# Altium PCB 键盘.PcbDoc (part 3 of 4)
Units mm, origin at the board's own origin, x right, y up, seen from the top; angles counter-clockwise.
Board outline 443.48 x 149.35 mm, 2 copper layers (Top Layer, Bottom Layer); 278 components, 283 nets, 1577 pads, 1412 vias.
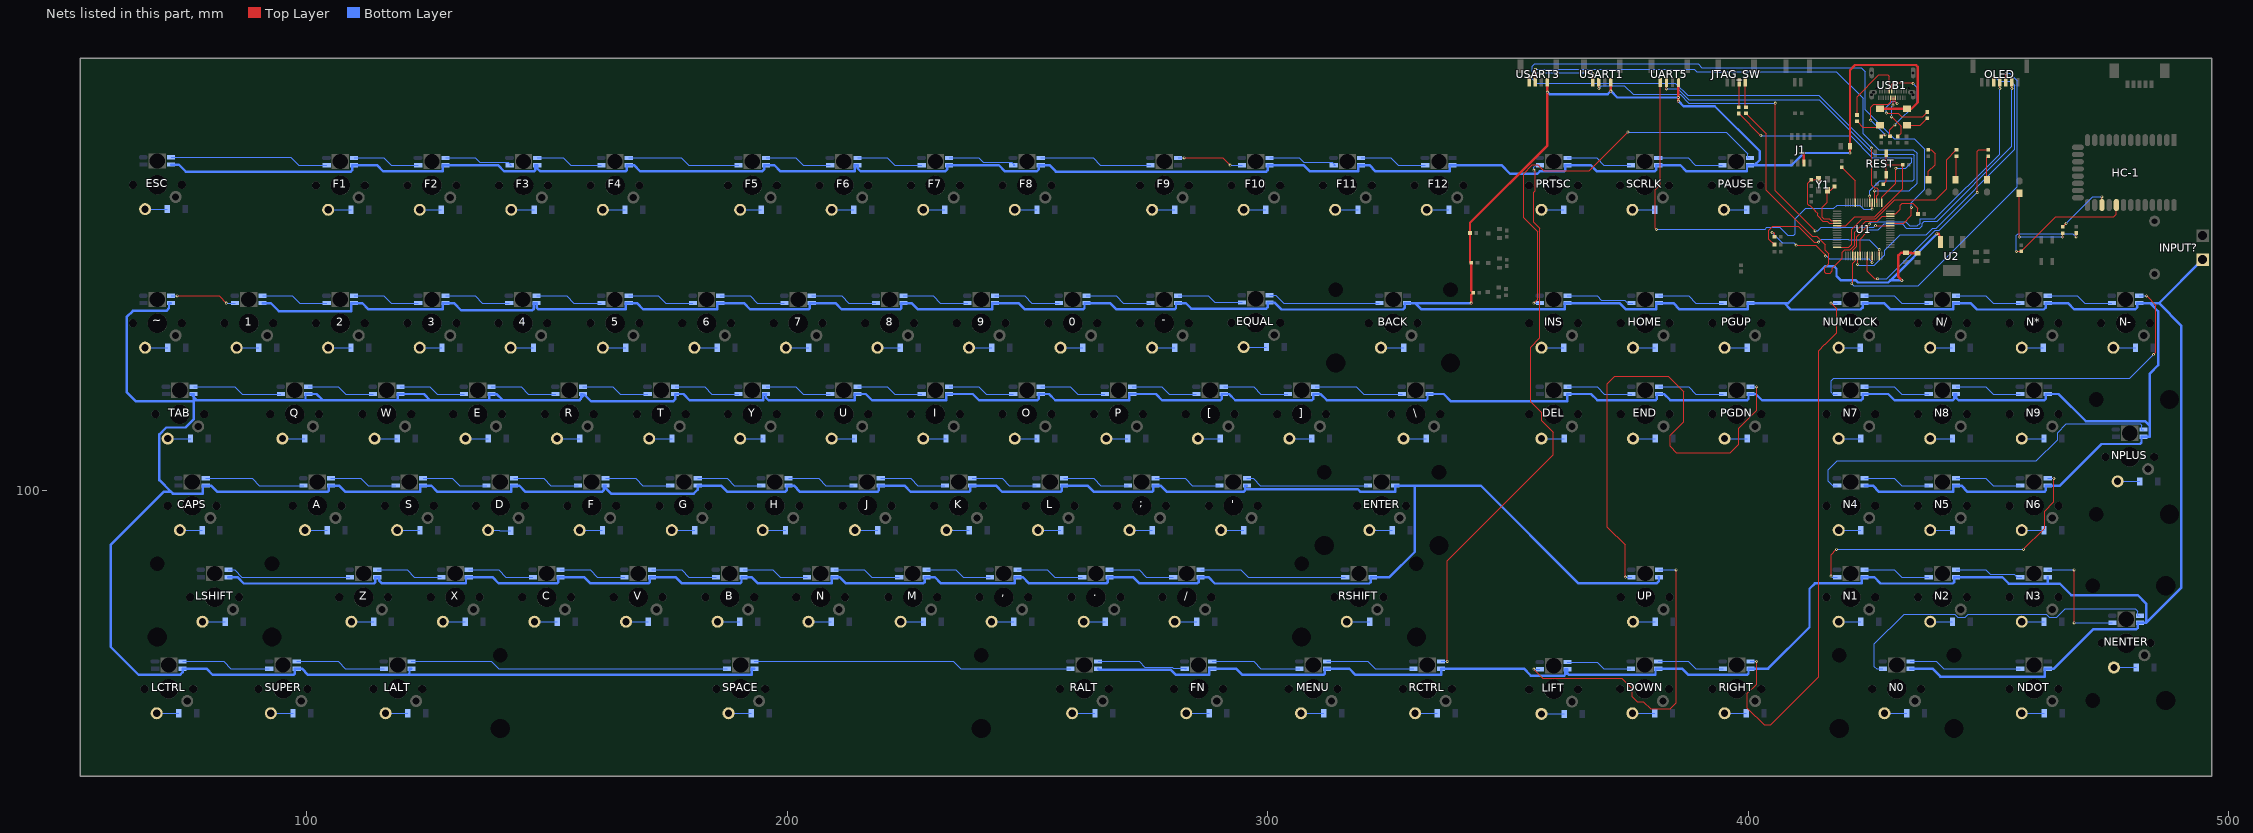
[diagram p3: the nets of this part, all layers, seen from the top]

## Via types
v1: diameter 0.508, hole 0.254, Top Layer to Bottom Layer, 1072 vias
v2: diameter 0.61, hole 0.305, Top Layer to Bottom Layer, 310 vias
v3: diameter 0.508, hole 0.254, Top Layer to Bottom Layer, tented both sides, 30 vias

## Nets (pads, with @x,y where several pads share a name; then routed paths per layer and width w, separated by ;. In a path a pad name is that pad's centre, name@x,y a point inside that pad or via, vN(x,y) a via of type N, cw(c..) or ccw(c..) an arc to the next point about the centre after c; other vN are vias at no path point) (continued)
L_VCC: 0.3 1.3 2.3 3.3 4.3 5.3 6.3 7.3 8.3 9.3 '.3 ,.3 -.3 ..3 /.3 ;.3 [.3 \.3 ].3 A.3 B.3 BACK.3 C9.2 C10.2 C13.1 C.3 CAPS.3 D.3 DEL.3 DOWN.3 E.3 END.3 ENTER.3 EQUAL.3 ESC.3 F1.3 F2.3 F3.3 F4.3 F5.3 F6.3 F7.3 F8.3 F10.3 F11.3 F12.3 F.3 FN.3 FUSB2.2 FUSB.1 G.3 H.3 HOME.3 I.3 INPUT?.2 INS.3 J1.3 J.3 K.3 L.3 LALT.3 LCTRL.3 LIFT.3 LSHIFT.3 M.3 MENU.3 N0.3 N1.3 N2.3 N3.3 N4.3 N5.3 N6.3 N7.3 N8.3 N9.3 N*.3 N-.3 N.3 N/.3 NDOT.3 NENTER.3 NPLUS.3 NUMLOCK.3 O.3 P.3 PAUSE.3 PGDN.3 PGUP.3 PRTSC.3 Q.3 R9.2 R12.2 R19.2 R.3 RALT.3 RCTRL.3 RIGHT.3 RSHIFT.3 S.3 SCRLK.3 SPACE.3 SUPER.3 T.3 TAB.3 U2.3 U.3 UART5.1 UP.3 USART1.1 USART3.1 V.3 W.3 X.3 Y.3 Z.3 ~.3 | length 2898.8
  Top Layer w0.508: v2(342.367,139.065) 342.367,140.818 R19.2@342.773,141.224 342.377,141.62 R12.2@342.377,147.447 342.123,147.701 R9.2@342.123,153.67 342.123,155.789 358.227,171.893 v2(358.227,182.982) USART3.1@358.227,185.039 ; v2(371.435,183.199) USART1.1@371.435,185.039 ; v2(385.5,181.121) v2(385.5,181.86) UART5.1@385.5,184.991 ; J1.3@411.607,168.236 v2(411.607,170.307) ; v2(421.193,170.307) C13.1@421.193,171.704 421.193,187.538 422.275,188.62 434.899,188.62 435.305,188.214 435.305,180.848 433.972,179.514 FUSB2.2@433.07,179.514 FUSB.1@427.482,179.514 ; v2(432.003,143.789) 431.273,144.519 431.273,148.992 431.821,149.54 C9.2@432.816,149.54 433.984,149.54 434.05,149.474 C10.2@435.229,149.474 ; v2(439.293,153.492) 439.711,153.492 U2.3@440.041,151.814
  Bottom Layer w0.508: ~.3@71.811,139.077 71.399,139.077 71.399,138.024 70.841,137.465 63.881,137.465 62.56,136.144 62.56,120.548 64.491,118.618 76.53,118.618 ; ESC.3@71.811,167.906 73.431,167.906 74.891,166.446 109.22,166.446 109.499,166.726 109.499,167.779 F1.3@109.911,167.779 114.669,167.779 115.976,166.472 128.372,166.472 128.372,167.779 F2.3@128.961,167.779 139.84,167.779 141.148,166.472 147.32,166.472 147.599,166.751 147.599,167.779 F3.3@148.006,167.779 ; LCTRL.3@74.224,63.004 LCTRL.3@74.244,63.004 ; LSHIFT.3@83.749,82.054 85.623,82.054 86.956,80.721 114.046,80.721 114.325,81.001 114.325,82.054 Z.3@114.737,82.054 115.164,82.054 115.164,81.28 115.697,80.747 133.198,80.747 133.198,82.054 X.3@133.787,82.054 138.709,82.054 140.017,80.747 152.146,80.747 152.425,81.026 152.425,82.054 C.3@152.837,82.054 157.759,82.054 159.067,80.747 171.196,80.747 171.475,81.026 171.475,82.054 V.3@171.887,82.054 176.809,82.054 178.117,80.747 190.246,80.747 190.525,81.026 190.525,82.054 B.3@190.937,82.054 192.647,82.054 193.954,80.747 209.271,80.747 209.271,82.054 N.3@209.86,82.054 210.947,82.054 212.254,80.747 228.346,80.747 228.625,81.026 228.625,82.054 M.3@229.037,82.054 230.747,82.054 232.054,80.747 247.371,80.747 247.371,82.054 247.96,82.054 249.047,82.054 250.354,80.747 266.446,80.747 266.725,81.026 266.725,82.054 ..3@267.137,82.054 272.009,82.054 273.316,80.747 285.369,80.747 285.648,81.026 285.648,82.054 /.3@286.06,82.054 287.68,82.054 289.013,80.721 321.158,80.721 321.462,81.026 321.462,82.054 RSHIFT.3@321.874,82.054 325.374,82.054 330.657,87.337 330.657,100.952 330.505,101.104 ; 1.3@90.861,139.077 92.571,139.077 94.234,137.414 109.322,137.414 109.322,139.077 2.3@109.911,139.077 111.621,139.077 112.928,137.77 128.372,137.77 128.372,139.077 3.3@128.961,139.077 130.671,139.077 132.207,137.541 146.96,137.541 147.192,137.773 147.288,137.773 147.288,137.869 147.295,137.876 147.295,139.077 4.3@147.879,139.077 ; LALT.3@121.849,63.004 121.437,63.004 121.437,61.976 121.158,61.697 ; 4.3@147.884,139.077 4.3@147.879,139.077 ; F3.3@148.011,167.779 F3.3@148.006,167.779 ; R.3@157.536,120.154 157.124,120.154 157.124,119.126 156.845,118.847 140.88,118.847 ; F.3@162.235,101.104 F.3@162.23,101.104 ; SPACE.3@193.223,63.004 192.634,63.004 192.634,61.697 121.158,61.697 ; Y.3@195.636,120.154 Y.3@195.631,120.154 ; F6.3@214.686,167.779 F6.3@214.681,167.779 ; RALT.3@264.724,63.004 264.99,62.738 279.908,62.738 280.949,61.697 287.884,61.697 287.884,63.004 FN.3@288.473,63.004 293.446,63.004 294.754,61.697 311.658,61.697 311.937,61.976 311.937,63.004 MENU.3@312.349,63.004 317.005,63.004 318.313,61.697 336.098,61.697 RCTRL.3@336.098,63.004 353.327,63.004 354.762,61.57 361.696,61.57 361.975,61.849 361.975,62.877 LIFT.3@362.382,62.877 ; '.3@295.712,101.104 295.3,101.104 295.3,100.355 ; v2(342.367,139.065) 342.355,139.077 330.696,139.077 ; v2(358.227,182.982) 358.684,182.524 370.76,182.524 v2(371.435,183.199) 372.774,181.86 v2(385.5,181.86) ; LIFT.3@362.387,62.877 LIFT.3@362.382,62.877 ; UP.3@381.437,82.054 381.457,82.054 381.457,81.28 380.924,80.747 364.719,80.747 344.361,101.104 330.505,101.104 ; v2(385.5,181.121) 386.587,180.034 393.066,180.034 402.412,170.688 402.412,168.871 401.32,167.779 ; v2(421.193,170.307) v2(411.607,170.307) 409.079,167.779 401.32,167.779 ; N4.3@424.236,101.104 425.946,101.104 427.253,99.797 442.697,99.797 442.697,101.104 N5.3@443.286,101.104 444.373,101.104 445.68,99.797 461.645,99.797 461.924,100.076 461.924,101.104 N6.3@462.336,101.104 464.883,101.104 473.532,109.753 481.584,109.753 481.863,110.033 481.863,111.264 NPLUS.3@482.275,111.264 483.591,111.264 483.591,113.487 ; v2(432.003,143.789) 429.59,143.789 ; N0.3@433.761,63.004 438.341,63.004 440.004,61.341 461.747,61.341 461.747,63.004 NDOT.3@462.336,63.004 463.652,63.004 471.869,71.222 480.822,71.222 481.101,71.501 481.101,72.529 NENTER.3@481.513,72.529 482.815,72.529 482.829,72.542 ; v2(439.293,153.492) 429.59,143.789 ; N8.3@443.286,120.154 N8.3@443.281,120.154 ; N3.3@462.336,82.054 462.356,82.054 462.356,81.001 462.026,80.67 ; INPUT?.2@494.585,148.122 485.54,139.077 ; 71.85,99.797 72.206,99.441 78.461,99.441 78.461,101.104 CAPS.3@79.05,101.104 80.137,101.104 81.47,99.771 104.394,99.771 104.673,100.051 104.673,101.104 A.3@105.085,101.104 106.795,101.104 108.102,99.797 123.673,99.797 123.673,101.104 S.3@124.262,101.104 125.972,101.104 127.279,99.797 142.596,99.797 142.596,101.104 D.3@143.185,101.104 144.272,101.104 145.579,99.797 161.544,99.797 161.823,100.076 161.823,101.104 F.3@162.23,101.104 ; 71.85,99.797 69.393,102.254 69.393,111.76 70.815,113.182 74.831,113.182 76.53,114.881 76.53,118.618 ; 71.85,99.797 70.256,99.797 59.233,88.773 59.233,67.564 65.1,61.697 73.66,61.697 74.244,62.281 LCTRL.3@74.244,63.004 ; LCTRL.3@74.244,63.004 79.197,63.004 80.505,61.697 97.282,61.697 97.561,61.976 97.561,63.004 SUPER.3@97.973,63.004 99.048,63.004 ; 76.53,118.618 76.759,118.847 99.797,118.847 ; 76.53,118.618 76.53,120.154 TAB.3@76.51,120.154 75.921,120.154 77.228,118.847 99.797,118.847 ; 99.048,63.004 99.06,63.004 100.367,61.697 ; 99.048,63.004 100.355,61.697 100.367,61.697 ; 99.797,118.847 103.403,118.847 ; 99.797,118.847 99.797,120.154 Q.3@100.386,120.154 102.096,120.154 103.403,118.847 ; 100.367,61.697 121.158,61.697 ; 103.403,118.847 118.974,118.847 ; 118.974,118.847 125.742,118.847 ; 118.974,118.847 118.974,120.154 W.3@119.563,120.154 124.435,120.154 125.742,118.847 ; 125.742,118.847 137.795,118.847 ; 137.795,118.847 140.88,118.847 ; 137.795,118.847 138.074,119.126 138.074,120.154 E.3@138.486,120.154 139.573,120.154 140.88,118.847 ; 140.88,118.847 156.693,118.847 157.861,120.015 159.258,118.618 176.276,118.618 176.713,119.055 T.3@176.713,120.154 178.423,120.154 179.73,118.847 195.047,118.847 195.047,120.154 Y.3@195.631,120.154 ; 4.3@147.879,139.077 147.879,138.176 148.285,137.77 166.472,137.77 166.472,139.077 5.3@167.061,139.077 168.771,139.077 170.078,137.77 185.522,137.77 185.522,139.077 6.3@186.111,139.077 191.033,139.077 192.341,137.77 204.47,137.77 204.749,138.049 204.749,139.077 7.3@205.161,139.077 210.083,139.077 211.391,137.77 223.52,137.77 223.799,138.049 223.799,139.077 8.3@224.211,139.077 225.921,139.077 227.228,137.77 242.672,137.77 242.672,139.077 9.3@243.261,139.077 248.183,139.077 249.491,137.77 261.62,137.77 261.899,138.049 261.899,139.077 0.3@262.311,139.077 267.233,139.077 268.541,137.77 280.67,137.77 280.949,138.049 280.949,139.077 -.3@281.361,139.077 282.981,139.077 284.162,137.897 299.72,137.897 299.999,138.176 299.999,139.204 EQUAL.3@300.411,139.204 301.473,139.204 302.932,137.744 328.168,137.744 328.574,138.151 328.574,139.077 BACK.3@328.986,139.077 330.696,139.077 ; F3.3@148.006,167.779 148.006,167.132 148.666,166.472 166.37,166.472 166.649,166.751 166.649,167.779 F4.3@167.061,167.779 168.148,167.779 169.455,166.472 194.818,166.472 195.224,166.878 195.224,167.779 F5.3@195.636,167.779 197.346,167.779 198.653,166.472 214.097,166.472 214.097,167.779 F6.3@214.681,167.779 ; F.3@162.23,101.104 162.23,100.584 163.373,99.441 180.594,99.441 181.412,100.259 G.3@181.412,101.104 186.284,101.104 187.591,99.797 199.644,99.797 199.923,100.076 199.923,101.104 H.3@200.335,101.104 201.422,101.104 202.729,99.797 218.821,99.797 219.1,100.076 219.1,101.104 J.3@219.512,101.104 224.434,101.104 225.742,99.797 237.871,99.797 238.15,100.076 238.15,101.104 K.3@238.562,101.104 243.484,101.104 244.792,99.797 256.921,99.797 257.2,100.076 257.2,101.104 L.3@257.612,101.104 262.534,101.104 263.842,99.797 275.971,99.797 276.25,100.076 276.25,101.104 276.662,101.104 277.749,101.104 279.056,99.797 295.021,99.797 295.3,100.076 295.3,100.355 ; Y.3@195.631,120.154 195.631,119.38 196.164,118.847 214.097,118.847 214.097,120.154 U.3@214.686,120.154 216.396,120.154 217.703,118.847 233.147,118.847 233.147,120.154 I.3@233.736,120.154 238.658,120.154 239.966,118.847 252.095,118.847 252.374,119.126 252.374,120.154 O.3@252.786,120.154 254.496,120.154 255.803,118.847 271.247,118.847 271.247,120.154 P.3@271.836,120.154 276.758,120.154 278.066,118.847 290.195,118.847 290.474,119.126 290.474,120.154 [.3@290.886,120.154 291.973,120.154 293.28,118.847 309.245,118.847 309.524,119.126 309.524,120.154 ].3@309.936,120.154 311.023,120.154 312.33,118.847 332.994,118.847 333.273,119.126 333.273,120.154 \.3@333.685,120.154 336.665,120.154 338.201,118.618 362.387,118.618 DEL.3@362.387,120.154 367.309,120.154 368.617,118.847 380.746,118.847 381.025,119.126 381.025,120.154 END.3@381.437,120.154 382.524,120.154 383.831,118.847 399.796,118.847 400.075,119.126 400.075,120.154 PGDN.3@400.487,120.154 401.574,120.154 402.881,118.847 423.545,118.847 423.824,119.126 423.824,120.154 N7.3@424.236,120.154 429.158,120.154 430.466,118.847 442.595,118.847 442.874,119.126 442.874,120.154 N8.3@443.281,120.154 ; F6.3@214.681,167.779 214.681,167.132 215.341,166.472 232.918,166.472 233.324,166.878 233.324,167.779 F7.3@233.736,167.779 244.057,167.779 245.364,166.472 251.968,166.472 252.374,166.878 252.374,167.779 F8.3@252.786,167.779 254.61,167.779 255.942,166.446 299.72,166.446 299.999,166.726 299.999,167.779 F10.3@300.411,167.779 307.506,167.779 308.813,166.472 318.872,166.472 318.872,167.779 F11.3@319.461,167.779 321.171,167.779 322.478,166.472 337.922,166.472 337.922,167.779 F12.3@338.511,167.779 348.679,167.779 350.466,165.992 356.156,165.992 356.635,166.472 361.696,166.472 361.975,166.751 361.975,167.779 PRTSC.3@362.387,167.779 367.259,167.779 368.566,166.472 380.492,166.472 380.898,166.878 380.898,167.779 SCRLK.3@381.31,167.779 385.865,167.779 387.172,166.472 399.771,166.472 399.771,167.779 PAUSE.3@400.36,167.779 401.32,167.779 ; 295.3,100.355 318.77,100.355 319.329,99.797 326.573,99.797 ENTER.3@326.573,101.104 330.505,101.104 ; 330.696,139.077 332.003,137.77 361.798,137.77 361.798,139.077 INS.3@362.387,139.077 373.266,139.077 374.574,137.77 380.848,137.77 380.848,139.077 HOME.3@381.437,139.077 384.442,139.077 385.75,137.77 399.898,137.77 399.898,139.077 PGUP.3@400.487,139.077 407.518,139.077 ; LIFT.3@362.382,62.877 362.382,61.976 362.661,61.697 380.721,61.697 380.721,63.004 DOWN.3@381.31,63.004 386.258,63.004 387.565,61.697 399.796,61.697 400.075,61.976 400.075,63.004 RIGHT.3@400.487,63.004 404.151,63.004 412.775,71.628 412.775,79.629 413.893,80.747 423.647,80.747 423.647,82.054 N1.3@424.236,82.054 426.237,82.054 427.57,80.721 442.57,80.721 442.874,81.026 442.874,82.054 N2.3@443.286,82.054 452.87,82.054 454.254,80.67 462.026,80.67 ; 407.518,139.077 408.345,139.077 416.052,146.784 417.83,146.784 418.389,146.225 418.389,144.729 419.255,143.863 422.323,143.863 422.831,143.355 429.155,143.355 429.59,143.789 ; 407.518,139.077 408.85,137.744 423.418,137.744 423.824,138.151 423.824,139.077 NUMLOCK.3@424.236,139.077 428.308,139.077 429.616,137.77 442.697,137.77 442.697,139.077 N/.3@443.286,139.077 446.278,139.077 447.611,137.744 461.518,137.744 461.924,138.151 461.924,139.077 N*.3@462.336,139.077 466.561,139.077 467.868,137.77 480.568,137.77 480.974,138.176 480.974,139.077 N-.3@481.386,139.077 483.616,139.077 ; N8.3@443.281,120.154 443.281,119.38 443.814,118.847 461.645,118.847 461.924,119.126 461.924,120.154 N9.3@462.336,120.154 464.617,120.154 470.249,114.522 482.556,114.522 483.591,113.487 ; 462.026,80.67 464.871,80.67 467.258,78.283 481.101,78.283 482.829,76.556 482.829,72.542 ; 482.829,72.542 490.144,79.858 490.144,134.276 485.54,139.077 ; 483.591,113.487 483.591,124.409 485.343,126.162 485.343,137.35 483.616,139.077 ; 483.616,139.077 485.54,139.077
LED1(PA2): R5.2 U1.16 | length 38.7
  Top Layer w0.254: U1.16@418.503,150.682 420.938,150.682 421.573,151.317 421.573,154.441 423.738,156.607 426.568,156.607 430.489,160.528 439.039,160.528 441.35,162.839 441.35,168.95 R5.2@443.357,170.957
LED2(PB0): R6.2 U1.26 | length 45.2
  Top Layer w0.254: U1.26@424.803,148.882 424.803,145.681 426.339,144.145 v2(426.962,144.145) ; v2(447.675,162.052) 447.675,170.688 447.944,170.957 R6.2@449.961,170.957
  Bottom Layer w0.254: v2(426.962,144.145) 428.821,144.145 438.888,154.212 439.758,154.212 447.599,162.052 v2(447.675,162.052)
Net0_2: 0.2 D27.1 | length 4.6
  Bottom Layer w0.254: 0.2@256.921,129.794 D27.1@261.544,129.794
Net0_4: 0.4 -.6 | length 14
  Bottom Layer w0.254: 0.4@262.311,140.577 268.503,140.577 270.003,139.077 -.6@275.661,139.077
Net0_6: 0.6 9.4 | length 14
  Bottom Layer w0.254: 9.4@243.261,140.577 249.453,140.577 250.953,139.077 0.6@256.611,139.077
Net1_2: 1.2 D18.1 | length 4.6
  Bottom Layer w0.254: 1.2@85.471,129.794 D18.1@90.094,129.794
Net1_4: 1.4 2.6 | length 14
  Bottom Layer w0.254: 1.4@90.861,140.577 97.053,140.577 98.553,139.077 2.6@104.211,139.077
Net1_6: 1.6 ~.4 | length 14
  Top Layer w0.254: v2(73.101,140.589) 81.8,140.589 v2(83.312,139.077)
  Bottom Layer w0.254: ~.4@71.811,140.577 73.089,140.577 v2(73.101,140.589) ; v2(83.312,139.077) 1.6@85.161,139.077
Net2_2: 2.2 D19.1 | length 4.7
  Bottom Layer w0.254: 2.2@104.521,129.794 D19.1@109.271,129.794
Net2_4: 2.4 3.6 | length 14
  Bottom Layer w0.254: 2.4@109.911,140.577 116.103,140.577 117.603,139.077 3.6@123.261,139.077
Net3_2: 3.2 D20.1 | length 4.6
  Bottom Layer w0.254: 3.2@123.571,129.794 D20.1@128.194,129.794
Net3_4: 3.4 4.6 | length 13.8
  Bottom Layer w0.254: 3.4@128.961,140.577 135.077,140.577 136.577,139.077 4.6@142.184,139.077
Net4_2: 4.2 D21.1 | length 4.7
  Bottom Layer w0.254: 4.2@142.494,129.794 D21.1@147.244,129.794
Net4_4: 4.4 5.6 | length 14.1
  Bottom Layer w0.254: 4.4@147.884,140.577 154.127,140.577 155.627,139.077 5.6@161.361,139.077
Net5_2: 5.2 D22.1 | length 4.7
  Bottom Layer w0.254: 5.2@161.671,129.794 D22.1@166.421,129.794
Net5_4: 5.4 6.6 | length 14
  Bottom Layer w0.254: 5.4@167.061,140.577 173.253,140.577 174.753,139.077 6.6@180.411,139.077
Net6_2: 6.2 D23.1 | length 4.7
  Bottom Layer w0.254: 6.2@180.721,129.794 D23.1@185.471,129.794
Net6_4: 6.4 7.6 | length 14
  Bottom Layer w0.254: 6.4@186.111,140.577 192.303,140.577 193.803,139.077 7.6@199.461,139.077
Net7_2: 7.2 D24.1 | length 4.7
  Bottom Layer w0.254: 7.2@199.771,129.794 D24.1@204.521,129.794
Net7_4: 7.4 8.6 | length 14
  Bottom Layer w0.254: 7.4@205.161,140.577 211.353,140.577 212.853,139.077 8.6@218.511,139.077
Net8_2: 8.2 D25.1 | length 4.7
  Bottom Layer w0.254: 8.2@218.821,129.794 D25.1@223.571,129.794
Net8_4: 8.4 9.6 | length 14
  Bottom Layer w0.254: 8.4@224.211,140.577 230.403,140.577 231.903,139.077 9.6@237.561,139.077
Net9_2: 9.2 D26.1 | length 4.7
  Bottom Layer w0.254: 9.2@237.871,129.794 D26.1@242.621,129.794
Net'_2: '.2 D56.1 | length 4.7
  Bottom Layer w0.254: '.2@290.322,91.821 D56.1@295.072,91.821
Net'_4: '.4 ENTER.6 | length 25.8
  Bottom Layer w0.254: '.4@295.712,102.604 296.994,102.604 298.494,101.104 ENTER.6@320.873,101.104
Net'_6: '.6 ;.4 | length 14
  Bottom Layer w0.254: 276.662,102.604 282.854,102.604 284.354,101.104 '.6@290.012,101.104
Net,_2: ,.2 D66.1 | length 4.6
  Bottom Layer w0.254: 242.57,72.771 D66.1@247.193,72.771
Net,_4: ,.4 ..6 | length 14.1
  Bottom Layer w0.254: 247.96,83.554 254.203,83.554 255.703,82.054 ..6@261.437,82.054
Net,_6: ,.6 M.4 | length 13.8
  Bottom Layer w0.254: M.4@229.037,83.554 235.153,83.554 236.653,82.054 242.26,82.054
Net-_2: -.2 D28.1 | length 4.7
  Bottom Layer w0.254: -.2@275.971,129.794 D28.1@280.721,129.794
Net-_4: -.4 EQUAL.6 | length 13.9
  Bottom Layer w0.254: -.4@281.361,140.577 287.604,140.577 288.977,139.204 EQUAL.6@294.711,139.204
Net._2: ..2 D67.1 | length 4.5
  Bottom Layer w0.254: ..2@261.747,72.771 D67.1@266.243,72.771
Net._4: ..4 /.6 | length 13.8
  Bottom Layer w0.254: ..4@267.137,83.554 273.253,83.554 274.753,82.054 /.6@280.36,82.054
Net/_2: /.2 D68.1 | length 4.6
  Bottom Layer w0.254: /.2@280.67,72.771 D68.1@285.293,72.771
Net/_4: /.4 RSHIFT.6 | length 30.7
  Bottom Layer w0.254: /.4@286.06,83.554 294.437,83.554 295.937,82.054 RSHIFT.6@316.174,82.054
Net;_2: ;.2 D55.1 | length 4.7
  Bottom Layer w0.254: 271.272,91.821 D55.1@276.022,91.821
Net;_6: ;.6 L.4 | length 14
  Bottom Layer w0.254: L.4@257.612,102.604 263.804,102.604 265.304,101.104 270.962,101.104
Net[_2: [.2 D42.1 | length 4.6
  Bottom Layer w0.254: [.2@285.496,110.871 D42.1@290.119,110.871
Net[_4: [.4 ].6 | length 14
  Bottom Layer w0.254: [.4@290.886,121.654 297.078,121.654 298.578,120.154 ].6@304.236,120.154
Net[_6: [.6 P.4 | length 14
  Bottom Layer w0.254: P.4@271.836,121.654 278.028,121.654 279.528,120.154 [.6@285.186,120.154
Net\_2: \.2 D44.1 | length 4.7
  Bottom Layer w0.254: \.2@328.295,110.871 D44.1@333.045,110.871
Net\_6: \.6 ].4 | length 18.7
  Bottom Layer w0.254: ].4@309.936,121.654 318.465,121.654 319.965,120.154 \.6@327.985,120.154
Net]_2: ].2 D43.1 | length 4.6
  Bottom Layer w0.254: ].2@304.546,110.871 D43.1@309.169,110.871
NetA_2: A.2 D46.1 | length 4.6
  Bottom Layer w0.254: A.2@99.695,91.821 D46.1@104.318,91.821
NetA_4: A.4 S.6 | length 14.1
  Bottom Layer w0.254: A.4@105.085,102.604 111.328,102.604 112.828,101.104 S.6@118.562,101.104
NetA_6: A.6 CAPS.4 | length 21
  Bottom Layer w0.254: CAPS.4@79.05,102.604 88.722,102.604 90.222,101.104 A.6@99.385,101.104
NetB_2: B.2 D63.1 | length 4.6
  Bottom Layer w0.254: B.2@185.547,72.771 D63.1@190.17,72.771
NetB_4: B.4 N.6 | length 13.8
  Bottom Layer w0.254: B.4@190.937,83.554 197.053,83.554 198.553,82.054 N.6@204.16,82.054
NetB_6: B.6 V.4 | length 14
  Bottom Layer w0.254: V.4@171.887,83.554 178.079,83.554 179.579,82.054 B.6@185.237,82.054
NetBACK_2: BACK.2 D30.1 | length 4.7
  Bottom Layer w0.254: BACK.2@323.596,129.794 D30.1@328.346,129.794
NetBACK_6: BACK.6 EQUAL.4 | length 23.5
  Bottom Layer w0.254: EQUAL.4@300.411,140.704 301.693,140.704 303.32,139.077 BACK.6@323.286,139.077
NetC2_1: C2.1 U1.47 | length 8.8
  Top Layer w0.254: U1.47@429.603,157.682 430.732,157.682 431.647,158.597 431.647,159.467 432.073,159.893 434.213,159.893 435.341,158.765 C2.1@435.341,157.607
NetC6_1: C6.1 U1.31 | length 30.5
  Top Layer w0.254: C6.1@405.496,151.257 404.343,152.41 404.343,154.203 405.159,155.019 410.472,155.019 413.726,151.765 v2(414.655,151.765) ; v2(427.279,150.216) 427.303,150.191 U1.31@427.303,148.882
  Bottom Layer w0.254: v2(414.655,151.765) 415.204,152.314 420.886,152.314 420.927,152.273 425.221,152.273 v2(427.279,150.216)
NetC_2: C.2 D61.1 | length 4.7
  Bottom Layer w0.254: C.2@147.447,72.771 D61.1@152.197,72.771
NetC_4: C.4 V.6 | length 14
  Bottom Layer w0.254: C.4@152.837,83.554 159.029,83.554 160.529,82.054 V.6@166.187,82.054
NetC_6: C.6 X.4 | length 14
  Bottom Layer w0.254: X.4@133.787,83.554 139.979,83.554 141.479,82.054 C.6@147.137,82.054
NetCAPS_2: CAPS.2 D45.1 | length 4.6
  Bottom Layer w0.254: CAPS.2@73.66,91.821 D45.1@78.283,91.821
NetD1_1: D1.1 R4.1 | length 7.8
  Top Layer w0.254: D1.1@437.515,164.719 437.515,166.472 438.912,167.869 438.912,170.18 438.135,170.957 R4.1@437.515,170.957
NetD2_1: D2.1 R5.1 | length 5
  Top Layer w0.254: D2.1@443.166,164.719 443.357,164.91 R5.1@443.357,169.657
NetD3_1: D3.1 R6.1 | length 5
  Top Layer w0.254: D3.1@449.707,164.719 449.707,169.403 R6.1@449.961,169.657
NetD4_1: D4.1 ESC.2 | length 4.6
  Bottom Layer w0.254: ESC.2@66.421,158.623 D4.1@71.044,158.623
NetD5_1: D5.1 F1.2 | length 4.7
  Bottom Layer w0.254: F1.2@104.521,158.496 D5.1@109.271,158.496
NetD6_1: D6.1 F2.2 | length 4.5
  Bottom Layer w0.254: F2.2@123.571,158.496 D6.1@128.067,158.496
NetD7_1: D7.1 F3.2 | length 4.7
  Bottom Layer w0.254: F3.2@142.621,158.496 D7.1@147.371,158.496
NetD8_1: D8.1 F4.2 | length 4.6
  Bottom Layer w0.254: F4.2@161.671,158.496 D8.1@166.294,158.496
NetD9_1: D9.1 F5.2 | length 4.4
  Bottom Layer w0.254: F5.2@190.246,158.496 D9.1@194.615,158.496
NetD10_1: D10.1 F6.2 | length 4.6
  Bottom Layer w0.254: F6.2@209.296,158.496 D10.1@213.919,158.496
NetD11_1: D11.1 F7.2 | length 4.5
  Bottom Layer w0.254: F7.2@228.346,158.496 D11.1@232.842,158.496
NetD12_1: D12.1 F8.2 | length 4.6
  Bottom Layer w0.254: F8.2@247.396,158.496 D12.1@252.019,158.496
NetD13_1: D13.1 F9.2 | length 4.7
  Bottom Layer w0.254: F9.2@275.971,158.496 D13.1@280.721,158.496
NetD14_1: D14.1 F10.2 | length 4.6
  Bottom Layer w0.254: F10.2@295.021,158.496 D14.1@299.644,158.496
NetD15_1: D15.1 F11.2 | length 4.7
  Bottom Layer w0.254: F11.2@314.071,158.496 D15.1@318.821,158.496
NetD16_1: D16.1 F12.2 | length 4.6
  Bottom Layer w0.254: F12.2@333.121,158.496 D16.1@337.744,158.496
NetD17_1: D17.1 ~.2 | length 4.7
  Bottom Layer w0.254: ~.2@66.421,129.794 D17.1@71.171,129.794
NetD29_1: D29.1 EQUAL.2 | length 4.7
  Bottom Layer w0.254: EQUAL.2@295.021,129.921 D29.1@299.771,129.921